# KiCad board 3340_VCO.kicad_pcb
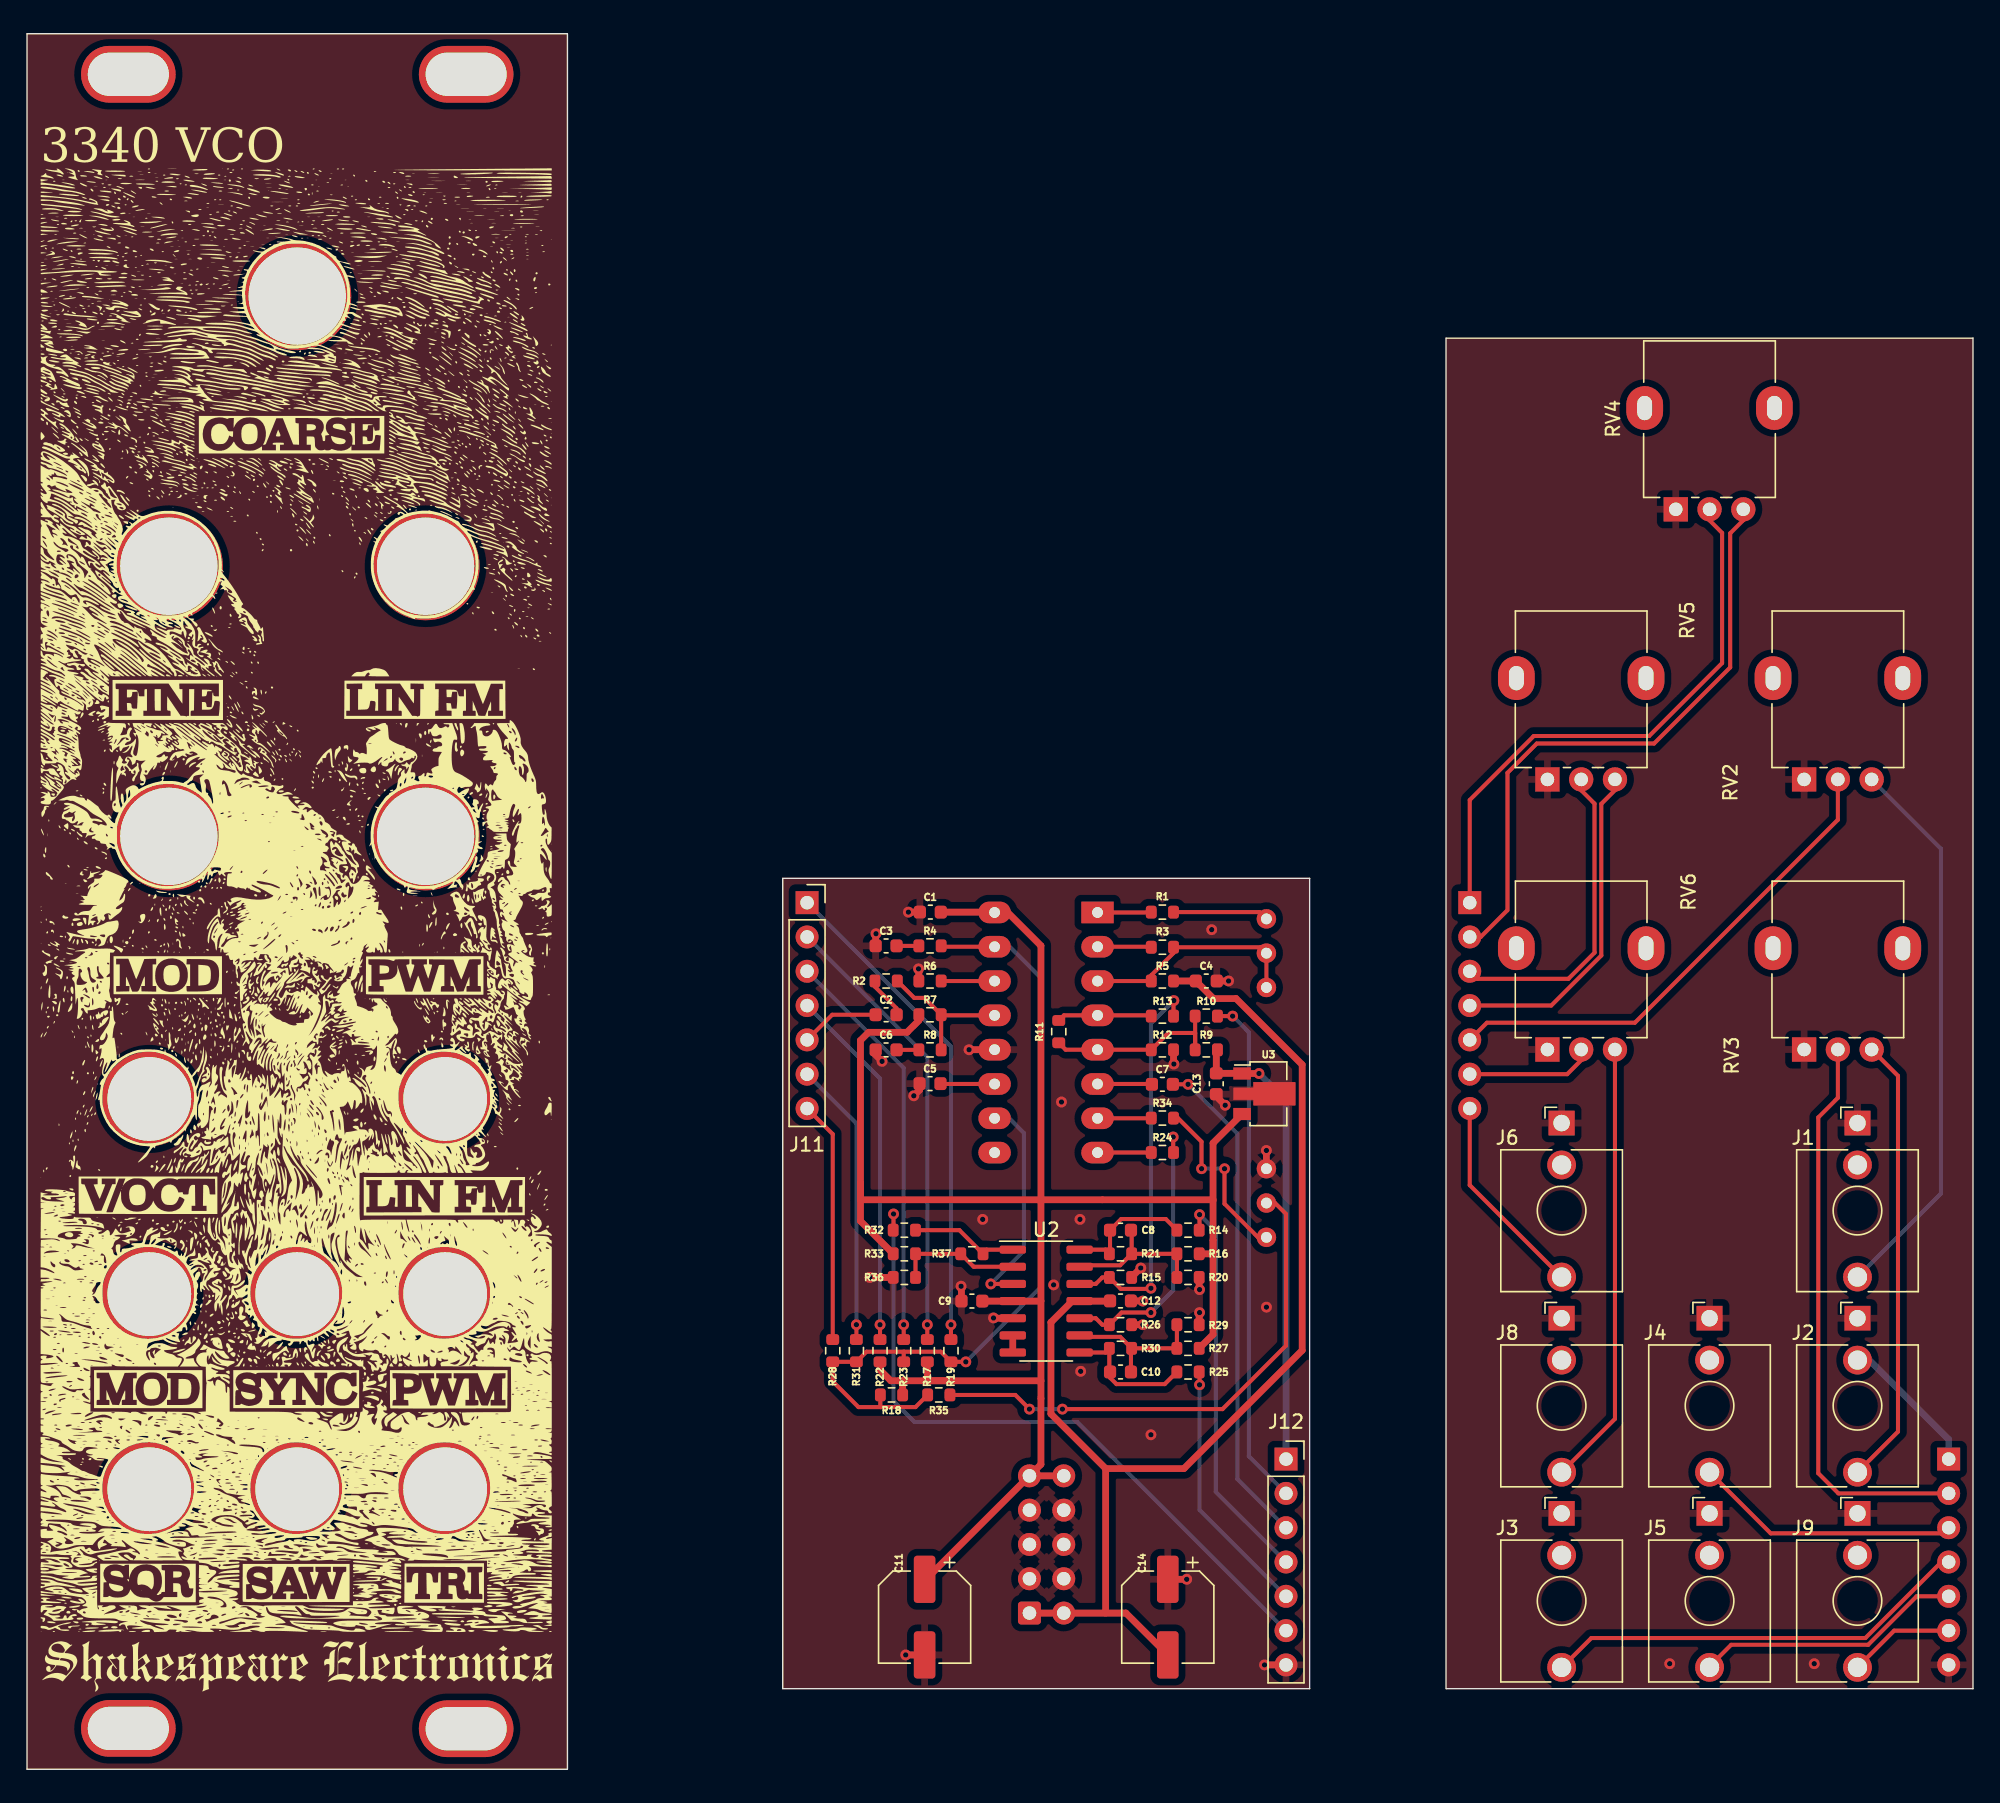
[diagram p0: board, top side]
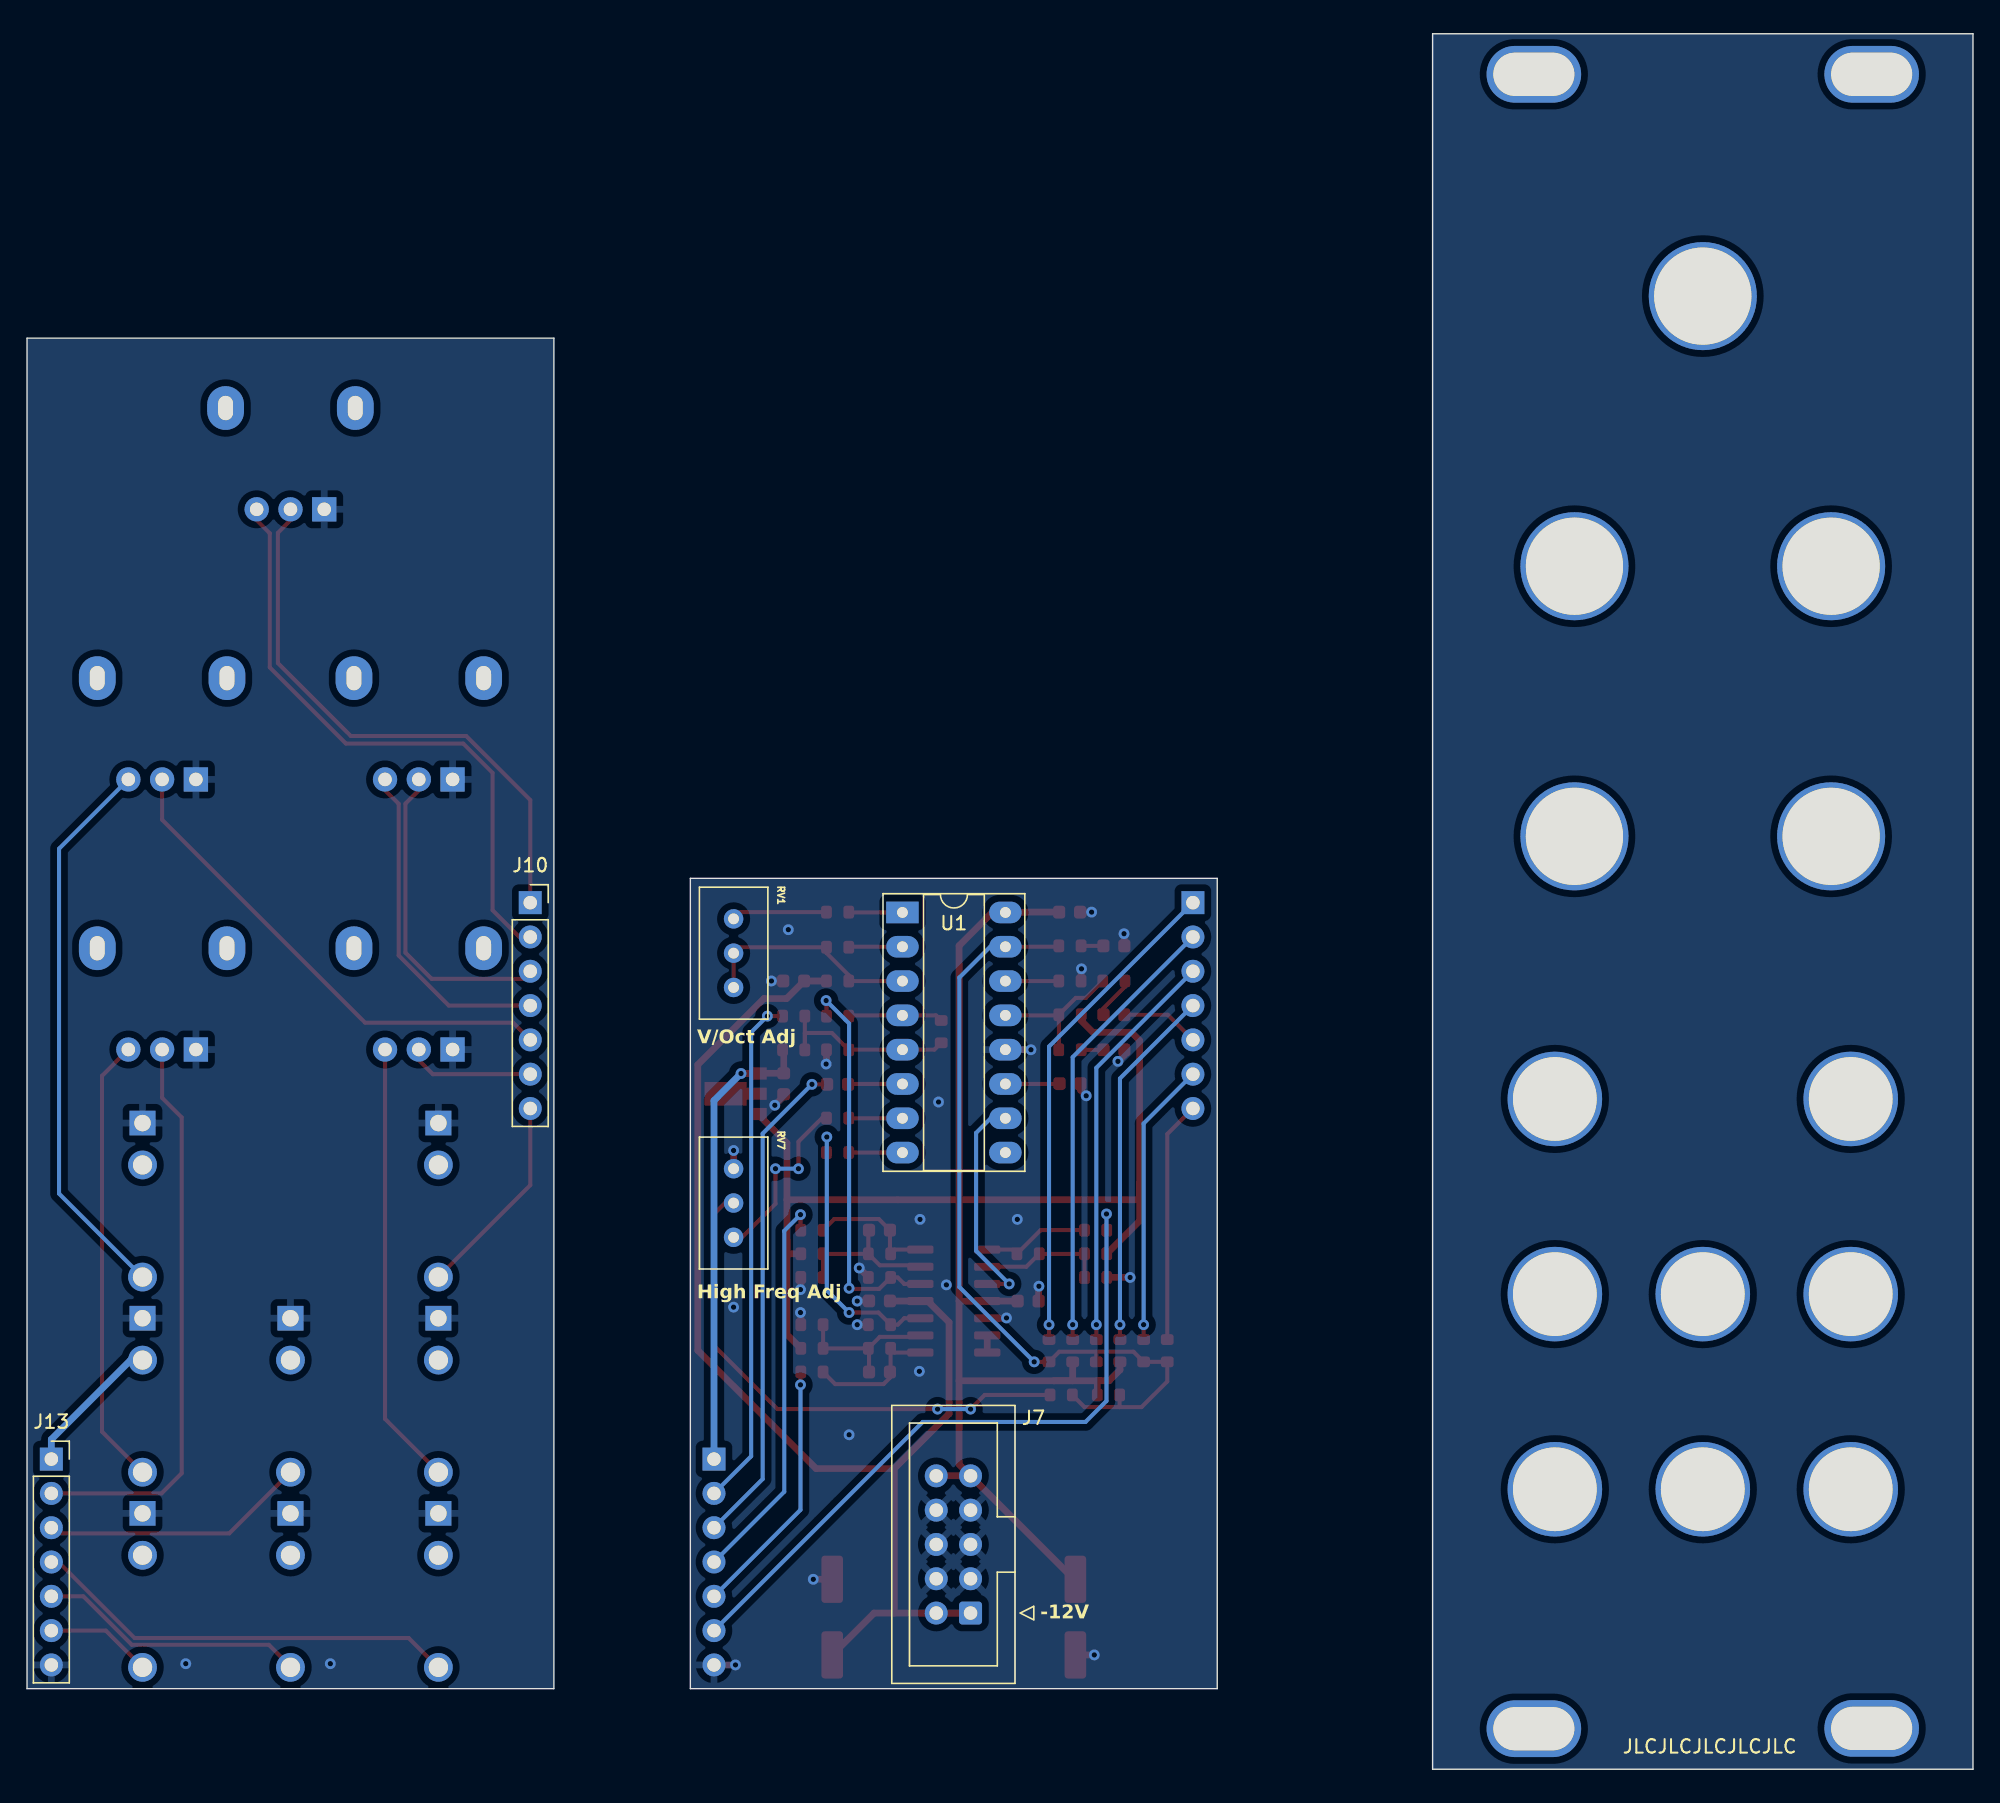
[diagram p1: board, bottom side, seen from below]

Outline 144.04 x 128.5 mm; copper layers: Top, Bottom. Coordinates in mm from the lower left corner of the outline.
Outline path: 0,128.5 0,0 40,0 40,128.5 0,128.5 ; 55.94,65.96 55.94,5.96 94.94,5.96 94.94,65.96 55.94,65.96 ; 105.04,105.96 105.04,5.96 144.04,5.96 144.04,105.96 105.04,105.96
Stack: Top 0.035mm / dielectric 1.51mm FR4 er 4.5 / Bottom 0.035mm

## Placement (name value [footprint] x y rotation side)
C1  100nF  [C_0603_1608Metric]  66.86 63.46 0 top
C2  10nF  [C_0603_1608Metric]  63.59 55.86 0 top
C3  10nF  [C_0603_1608Metric]  63.59 60.96 0 top
C4  100nF  [C_0603_1608Metric]  87.29 58.36 180 top
C5  1nF  [C_0603_1608Metric]  66.84 50.76 0 top
C6  10nF  [C_0603_1608Metric]  63.59 53.26 180 top
C7  10nF  [C_0603_1608Metric]  84.04 50.71 180 top
C8  10pF  [C_0603_1608Metric]  80.94 39.91 0 top
C9  100nF  [C_0603_1608Metric]  69.94 34.66 0 top
C10  10pF  [C_0603_1608Metric]  80.94 29.41 0 top
C11  10uF  [CP_Elec_6.3x5.4]  66.44 11.26 270 top
C12  100nF  [C_0603_1608Metric]  80.94 34.67 180 top
C13  100nF  [C_0603_1608Metric]  88.03 50.75 90 top
C14  10uF  [CP_Elec_6.3x5.4]  84.44 11.26 270 top
G***  -  [LOGO]  19.91 64.34 0 top
G***#2  -  [LOGO]  20.02 7.57 0 top
J1  FM_IN  [Jack_3.5mm_QingPu_WQP-PJ398SM_Vertical_CircularHoles]  135.49 47.84 0 top
J2  PWM_IN  [Jack_3.5mm_QingPu_WQP-PJ398SM_Vertical_CircularHoles]  135.49 33.39 0 top
J3  PULSE_OUT  [Jack_3.5mm_QingPu_WQP-PJ398SM_Vertical_CircularHoles]  113.59 18.94 0 top
J4  SYNC_IN  [Jack_3.5mm_QingPu_WQP-PJ398SM_Vertical_CircularHoles]  124.54 33.39 0 top
J5  SAW_OUT  [Jack_3.5mm_QingPu_WQP-PJ398SM_Vertical_CircularHoles]  124.54 18.94 0 top
J6  V/OCT_IN  [Jack_3.5mm_QingPu_WQP-PJ398SM_Vertical_CircularHoles]  113.59 47.84 0 top
J7  PWR  [IDC-Header_2x05_P2.54mm_Vertical]  74.2 11.56 0 bottom
J8  CV_MOD_IN  [Jack_3.5mm_QingPu_WQP-PJ398SM_Vertical_CircularHoles]  113.59 33.39 0 top
J9  TRI_OUT  [Jack_3.5mm_QingPu_WQP-PJ398SM_Vertical_CircularHoles]  135.49 18.94 0 top
J10  Conn_1B  [PinSocket_1x07_P2.54mm_Vertical]  106.79 64.16 180 bottom
J11  Conn_1A  [PinSocket_1x07_P2.54mm_Vertical]  57.74 64.16 0 top
J12  Conn_2A  [PinSocket_1x07_P2.54mm_Vertical]  93.19 22.96 0 top
J13  Conn_2B  [PinSocket_1x07_P2.54mm_Vertical]  142.24 22.96 180 bottom
R1  24k  [R_0603_1608Metric]  84.04 63.46 0 top
R2  1M  [R_0603_1608Metric]  63.59 58.36 0 top
R3  5K6  [R_0603_1608Metric]  84.04 60.86 0 top
R4  470R  [R_0603_1608Metric]  66.84 60.96 0 top
R5  620R  [R_0603_1608Metric]  84.04 58.36 0 top
R6  1K8  [R_0603_1608Metric]  66.84 58.36 0 top
R7  1M5  [R_0603_1608Metric]  66.84 55.86 180 top
R8  470R  [R_0603_1608Metric]  66.84 53.26 180 top
R9  100K  [R_0603_1608Metric]  87.29 53.26 180 top
R10  100K  [R_0603_1608Metric]  87.29 55.76 180 top
R11  10M  [R_0603_1608Metric]  76.37 54.61 90 top
R12  200K  [R_0603_1608Metric]  84.04 53.26 0 top
R13  180K  [R_0603_1608Metric]  84.04 55.76 180 top
R14  1K  [R_0603_1608Metric]  85.94 39.91 180 top
R15  100K  [R_0603_1608Metric]  80.94 36.41 0 top
R16  240K  [R_0603_1608Metric]  85.94 38.16 0 top
R17  100k  [R_0603_1608Metric]  66.64 30.99 90 top
R18  360k  [R_0603_1608Metric]  63.99 27.71 0 top
R19  100k  [R_0603_1608Metric]  68.39 30.99 270 top
R20  91K  [R_0603_1608Metric]  85.94 36.41 0 top
R21  100K  [R_0603_1608Metric]  80.94 38.16 0 top
R22  100k  [R_0603_1608Metric]  63.14 30.99 90 top
R23  1M8  [R_0603_1608Metric]  64.89 30.99 270 top
R24  100K  [R_0603_1608Metric]  84.04 45.66 180 top
R25  1K  [R_0603_1608Metric]  85.94 29.41 180 top
R26  100K  [R_0603_1608Metric]  80.94 32.91 0 top
R27  240K  [R_0603_1608Metric]  85.94 31.16 0 top
R28  100K  [R_0603_1608Metric]  59.64 30.99 270 top
R29  91K  [R_0603_1608Metric]  85.94 32.91 0 top
R30  100K  [R_0603_1608Metric]  80.94 31.16 0 top
R31  100K  [R_0603_1608Metric]  61.39 30.99 270 top
R32  1K  [R_0603_1608Metric]  64.94 39.91 0 top
R33  240K  [R_0603_1608Metric]  64.94 38.16 180 top
R34  10k  [R_0603_1608Metric]  84.04 48.21 0 top
R35  1M  [R_0603_1608Metric]  67.49 27.71 180 top
R36  91K  [R_0603_1608Metric]  64.94 36.41 180 top
R37  100K  [R_0603_1608Metric]  69.94 38.16 180 top
REF**  -  [PanelHole_AudioJack_3.5mm]  30.95 27.23 0 top
REF**#2  -  [PanelHole_Potentiometer_RV09]  8 61.58 90 top
REF**#3  -  [PanelHole_Potentiometer_RV09]  27 61.58 90 top
REF**#4  -  [PanelHole_AudioJack_3.5mm]  9.05 41.68 0 top
REF**#5  -  [PanelHole_AudioJack_3.5mm]  20 27.23 0 top
REF**#6  -  [PanelHole_AudioJack_3.5mm]  9.05 56.13 0 top
REF**#7  -  [PanelHole_AudioJack_3.5mm]  9.05 27.23 0 top
REF**#8  -  [PanelHole_AudioJack_3.5mm]  30.95 56.13 0 top
REF**#9  -  [Panel_8HP]  0 128.5 0 top
REF**#10  -  [PanelHole_Potentiometer_RV09]  27 81.58 90 top
REF**#11  -  [PanelHole_Potentiometer_RV09]  8 81.58 90 top
REF**#12  -  [PanelHole_Potentiometer_RV09]  17.5 101.58 90 top
REF**#13  -  [PanelHole_AudioJack_3.5mm]  20 41.68 0 top
REF**#14  -  [PanelHole_AudioJack_3.5mm]  30.95 41.68 0 top
RV1  10k  [Potentiometer_Bourns_3296W_Vertical]  91.74 62.96 90 bottom
RV2  100K  [Potentiometer_Alpha_RD901F-40-00D_Single_Vertical]  131.54 73.29 90 top
RV3  100K  [Potentiometer_Alpha_RD901F-40-00D_Single_Vertical]  131.54 53.29 90 top
RV4  100k  [Potentiometer_Alpha_RD901F-40-00D_Single_Vertical]  122.04 93.29 90 top
RV5  100k  [Potentiometer_Alpha_RD901F-40-00D_Single_Vertical]  112.54 73.29 90 top
RV6  100k  [Potentiometer_Alpha_RD901F-40-00D_Single_Vertical]  112.54 53.29 90 top
RV7  10k  [Potentiometer_Bourns_3296W_Vertical]  91.74 44.46 90 bottom
U1  AS3340  [DIP-16_W7.62mm_Socket_LongPads]  79.24 63.44 180 bottom
U2  TL074  [SOIC-14_3.9x8.7mm_P1.27mm]  75.44 34.66 0 top
U3  L78L05  [SOT-89-3]  91.89 50.01 0 top

## Library data of the parts
C1 C4 C9 C12 C13 = -: Description: Unpolarized capacitor; LCSC: C1591
C2 C3 C6 C7 = -: Description: Unpolarized capacitor; LCSC: C100042
C5 = -: Description: Unpolarized capacitor; LCSC: C178413
C8 C10 = -: Description: Unpolarized capacitor; LCSC: C91367
C11 C14 = -: LCSC: C5221839
J7 = -: Description: Generic connector, double row, 02x05, odd/even pin numbering scheme (row 1 odd numbers, row 2 even numbers), script generated (kicad-library-utils/schlib/autogen/connector/)
J10-J13 = -: Description: Generic connector, single row, 01x07, script generated
R1 = -: Description: Resistor; LCSC: C23352
R2 R35 = -: Description: Resistor; LCSC: C22935
R3 = -: Description: Resistor; LCSC: C23189
R4 R8 = -: Description: Resistor; LCSC: C23179
R5 = -: Description: Resistor; LCSC: C23220
R6 = -: Description: Resistor; LCSC: C4177
R7 = -: Description: Resistor; LCSC: C4172
R9 R10 R15 R17 R21 R22 R24 R26 R28 R30 R31 R37 = -: Description: Resistor; LCSC: C25803
R11 = -: Description: Resistor; LCSC: C7250
R12 = -: Description: Resistor; LCSC: C25811
R13 = -: Description: Resistor; LCSC: C22827
R14 R25 R32 = -: Description: Resistor; LCSC: C21190
R16 R27 R33 = -: Description: Resistor; LCSC: C4197
R18 = -: Description: Resistor; LCSC: C23146
R19 = -: Description: Resistor
R20 R29 R36 = -: Description: Resistor; LCSC: C23265
R23 = -: Description: Resistor; LCSC: C13318
R34 = -: Description: Resistor; LCSC: C25804
RV4-RV6 = -: Description: Potentiometer
U2 = -: Description: Quad Low-Noise JFET-Input Operational Amplifiers, DIP-14/SOIC-14; LCSC: C12594
U3 = -: Description: Positive 100mA 30V Linear Regulator, Fixed Output 5V, SOT-89; LCSC: C3025155

## Footprints (pads in the part's own frame, mm; a bottom-side part is the same pattern mirrored in y, then rotated)
C_0603_1608Metric
  rrect 0.9x0.95 smd: 1(-0.775,0) 2(0.775,0)
CP_Elec_6.3x5.4
  rrect 3.5x1.6 smd: 1(-2.8,0) 2(2.8,0)
DIP-16_W7.62mm_Socket_LongPads
  rect 2.4x1.6 hole 0.8: 1(0,0)
  oval 2.4x1.6 hole 0.8: 2(0,-2.54) 3(0,-5.08) 4(0,-7.62) 5(0,-10.16) 6(0,-12.7) 7(0,-15.24) 8(0,-17.78) 9(7.62,-17.78) 10(7.62,-15.24) 11(7.62,-12.7) 12(7.62,-10.16) 13(7.62,-7.62) 14(7.62,-5.08) 15(7.62,-2.54) 16(7.62,0)
IDC-Header_2x05_P2.54mm_Vertical
  rrect 1.7x1.7 hole 1: 1(0,0)
  round 1.7 hole 1: 2(2.54,0) 3(0,-2.54) 4(2.54,-2.54) 5(0,-5.08) 6(2.54,-5.08) 7(0,-7.62) 8(2.54,-7.62) 9(0,-10.16) 10(2.54,-10.16)
Jack_3.5mm_QingPu_WQP-PJ398SM_Vertical_CircularHoles
  rect 1.93x1.83 hole 1.22: S(0,0)
  round 2.13 hole 1.43: T(0,-11.4)
  round 2.13 hole 1.42: TN(0,-3.1)
Panel_8HP
  oval 7x4.2 hole 6x3.2: (7.5,-3) (7.5,-125.476) (32.505,-3) (32.505,-125.5)
PanelHole_AudioJack_3.5mm
  round 7 hole 6.2 unplated: (0,-6.5)
PanelHole_Potentiometer_RV09
  round 8 hole 7.2 unplated: (7.5,-2.5)
PinSocket_1x07_P2.54mm_Vertical
  rect 1.7x1.7 hole 1: 1(0,0)
  oval 1.7x1.7 hole 1: 2(0,-2.54) 3(0,-5.08) 4(0,-7.62) 5(0,-10.16) 6(0,-12.7) 7(0,-15.24)
Potentiometer_Alpha_RD901F-40-00D_Single_Vertical
  oval 3.24x2.72 hole 1.8x1.1: (7.5,2.3) (7.5,-7.3)
  rect 1.8x1.8 hole 1: 1(0,0)
  round 1.8 hole 1: 2(0,-2.5) 3(0,-5)
Potentiometer_Bourns_3296W_Vertical
  round 1.44 hole 0.8: 1(0,0) 2(-2.54,0) 3(-5.08,0)
R_0603_1608Metric
  rrect 0.8x0.95 smd: 1(-0.825,0) 2(0.825,0)
SOIC-14_3.9x8.7mm_P1.27mm
  rrect 1.95x0.6 smd: 1(-2.475,3.81) 2(-2.475,2.54) 3(-2.475,1.27) 4(-2.475,0) 5(-2.475,-1.27) 6(-2.475,-2.54) 7(-2.475,-3.81) 8(2.475,-3.81) 9(2.475,-2.54) 10(2.475,-1.27) 11(2.475,0) 12(2.475,1.27) 13(2.475,2.54) 14(2.475,3.81)
SOT-89-3
  rect 1.3x0.9 smd: 1(-1.95,1.5) 3(-1.95,-1.5)
  custom 4.6x1.733 smd: 2(-1.863,0)

## Nets
+5V: C13.2 J2.TN J12.1 J13.1 R9.1 U3.1
+12V: C1.2 C9.2 C11.1 J7.9 J7.10 R7.2 R16.2 R17.1 R18.2 R22.1 R27.2 R33.2 U1.16 U2.4 U3.3
-12V: C4.2 C12.2 C14.2 J7.1 J7.2 R5.2 U2.11
GND: C1.1 C3.1 C4.1 C5.1 C6.2 C9.1 C11.2 C12.1 C13.1 C14.1 J1.S J2.S J3.S J4.S J5.S J6.S J7.3 J7.4 J7.5 J7.6 J7.7 J7.8 J8.S J9.S J12.7 J13.7 R6.1 R12.2 R15.2 R20.2 R26.2 R29.2 R36.2 RV2.1 RV3.1 RV4.1 RV5.1 RV6.1 RV7.1 U1.12 U2.5 U3.2
/coarse2_a: J11.1 R19.1
/coarse2_b: J10.1 RV4.2
/coarse3_a: J11.2 R17.2
/coarse3_b: J10.2 RV4.3
/CV_IN: R4.2 R18.1 R19.2 R23.2 R28.2 R31.2 R35.2 U1.15
/cvmod_a: J11.6 R31.1
/cvmod_b: J10.6 RV6.2
/fine2_a: J11.3 R23.1
/fine2_b: J10.3 RV5.2
/fine3_a: J11.4 R22.2
/fine3_b: J10.4 RV5.3
/HSYNC: C7.2 U1.6
/LIN_FM: R2.2 R7.1 R8.1 U1.13
/linfm_a: C2.1 J11.5
/linfm_b: J10.5 RV2.2
/PULSE: R11.2 R13.2 U1.4
/pulse_a: J12.4 R14.1
/pulse_b: J3.T J13.4
/PWM: R9.2 R10.2 R11.1 R12.1 U1.5
/pwm_a: J12.2 R10.1
/pwm_b: J13.2 RV3.2
/SAW: R24.2 U1.8
/saw_a: J12.5 R25.1
/saw_b: J5.T J13.5
/sync_a: C7.1 J12.3
/sync_b: J4.T J13.3
/TRI: U1.10 U2.3
/tri_a: J12.6 R32.1
/tri_b: J9.T J13.6
/VHFT: R34.1 U1.7
/voct_a: J11.7 R28.1
/voct_b: J6.T J10.7
Net-(C2-Pad2): C2.2 R2.1
Net-(C3-Pad2): C3.2 R4.1
Net-(C6-Pad1): C6.1 R8.2
Net-(C8-Pad1): C8.1 R14.2 R21.1 U2.14
Net-(C10-Pad1): C10.1 R25.2 R30.1 U2.8
Net-(J1-PadT): J1.T RV2.3
Net-(J2-PadT): J2.T RV3.3
Net-(J8-PadT): J8.T RV6.3
Net-(R1-Pad2): R1.2 RV1.1
Net-(R32-Pad2): R32.2 R37.1 U2.1
Net-(R34-Pad2): R34.2 RV7.3
Net-(R35-Pad1): R35.1 RV7.2
Net-(U1-CAP): C5.2 U1.11
Net-(U1-SCALE1): R1.1 U1.1
Net-(U1-SCALE2): R3.1 U1.2
Net-(U1-VEE): R3.2 R5.1 RV1.2 RV1.3 U1.3
Net-(U1-VS): R6.2 U1.14
Net-(U2A--): R33.1 R36.1 R37.2 U2.2
Net-(U2B--): U2.6 U2.7
Net-(U2C-+): R24.1 R26.1 U2.10
Net-(U2C--): C10.2 R27.1 R29.1 R30.2 U2.9
Net-(U2D-+): R13.1 R15.1 U2.12
Net-(U2D--): C8.2 R16.1 R20.1 R21.2 U2.13

Pads without a net: J1 TN; J3 TN; J4 TN; J5 TN; J6 TN; J8 TN; J9 TN; U1 9

## Via types
v1: diameter 0.8, hole 0.4, Top to Bottom, 52 vias

## Routing (per net, layer and track width the routed paths; a pad name or vN(x,y) marks a point on that pad's centre or on a via; arc(x,y) is an arc through that point)
+5V: length 45
  Top w0.5: v1(91.19,51.51) U3.1 89.92,51.53 C13.2 88.03,53.18 R9.1
  Bottom w0.5: J2.TN 136.37,30.29 142.24,24.42 J13.1 ; J12.1 93.19,49.51 v1(91.19,51.51)
+12V: length 153
  Top w0.5: 75.05,42.16 75.05,60.97 72.58,63.44 U1.16 71.59,63.46 C1.2 ; 75.05,42.16 87.79,42.16 ; 75.05,42.16 61.69,42.16 61.69,43.41 ; 75.05,42.16 75.05,34.66 ; 87.79,39.19 87.79,32.19 R27.2 ; 87.79,39.19 87.79,42.16 ; 87.79,39.19 87.79,38.16 R16.2 ; C9.2 U2.4 75.05,34.66 ; 61.69,43.41 61.69,40.59 R33.2 ; 61.69,43.41 61.69,53.96 62.29,54.56 65.14,54.56 66.02,55.44 R7.2 ; 75.05,34.66 75.05,28.76 ; 68.04,28.76 64.54,28.76 ; 68.04,28.76 75.05,28.76 ; 68.04,28.76 66.64,28.76 R17.1 ; 64.54,28.76 63.94,28.76 63.14,29.56 R22.1 ; 64.54,28.76 64.81,28.76 R18.2 ; 87.79,42.16 87.79,46.36 U3.3 ; 75.05,28.76 75.05,22.57 J7.9 ; J7.10 J7.9 ; J7.9 66.54,14.06 C11.1
-12V: length 91.2
  Top w0.5: 79.84,22.26 85.64,22.26 94.39,31.01 94.39,52.16 89.49,57.06 87.82,57.06 C4.2 R5.2 ; 79.84,22.26 75.79,26.31 75.79,33.09 77.36,34.66 U2.11 80.15,34.66 ; 79.84,22.26 79.84,11.56 ; C14.2 81.34,11.56 79.84,11.56 ; 79.84,11.56 J7.2 J7.1
GND: length 25.6
  Top w0.5: R36.2 v1(62.39,36.41) ; v1(63.29,52.41) 62.81,52.89 C6.2 ; C5.1 66.06,50.29 v1(65.64,49.86) ; v1(62.84,61.86) 62.81,61.84 C3.1 ; v1(69.73,53.27) 69.73,53.28 U1.12 ; C11.2 v1(65.04,8.46) ; R15.2 81.77,36.44 v1(82.44,37.11) ; v1(88.69,49.16) 88.03,49.82 C13.1 ; v1(86.79,35.51) 86.77,35.54 R20.2 ; v1(69.14,35.76) 69.17,35.74 69.17,34.66 ; C14.1 v1(85.84,14.06) ; J12.7 v1(91.6,7.72) ; U2.5 71.56,33.39 v1(71.54,33.41) ; C4.1 v1(88.94,58.36) ; v1(86.79,33.81) 86.77,33.79 R29.2 ; R26.2 v1(82.59,32.91) ; v1(84.89,52.21) 84.86,52.24 R12.2 ; 81.71,34.67 82.58,34.67 v1(82.59,34.66) ; RV7.1 v1(91.74,45.81) ; 72.16,53.28 72.19,53.31 ; R6.1 66.02,59.24 v1(65.99,59.26) ; C1.1 v1(65.24,63.46) ; U3.2 91.39,50.01
  vias: v1(70.74,40.71) v1(75.99,35.86) v1(76.57,49.4) v1(77.94,40.71) v1(77.99,29.46) v1(83.19,24.76) v1(87.69,62.16) v1(91.74,34.21) v1(121.59,7.81) v1(132.29,7.81)
/coarse2_a: length 36.8
  Top w0.3: R19.1 v1(68.39,32.91)
  Bottom w0.3: v1(68.39,32.91) 68.39,53.51 J11.1
/coarse2_b: length 42.3
  Top w0.3: RV4.2 124.54,92.47 125.47,91.54 125.47,81.9 120.07,76.5 111.53,76.5 106.79,71.76 J10.1
/coarse3_a: length 33.5
  Top w0.3: R17.2 v1(66.64,32.91)
  Bottom w0.3: v1(66.64,32.91) 66.64,52.72 J11.2
/coarse3_b: length 45.6
  Top w0.3: J10.2 107.6,61.62 109.58,63.6 109.58,73.77 111.75,75.94 120.43,75.94 126.07,81.58 126.07,91.51 127.04,92.48 RV4.3
/CV_IN: length 60.8
  Top w0.3: 66.67,27.71 65.77,26.81 63.19,26.81 ; 63.19,26.81 61.54,26.81 59.64,28.71 R28.2 R31.2 62.14,30.91 64.89,30.91 ; 63.19,26.81 63.17,26.84 63.17,27.71 ; v1(69.49,30.16) R19.2 67.64,30.91 64.89,30.91 ; 64.89,30.91 R23.2 ; U1.15 67.73,60.9 R4.2
  Bottom w0.3: U1.15 72.75,60.9 75.03,58.61 75.03,35.7 v1(69.49,30.16)
/cvmod_a: length 21.2
  Top w0.3: R31.1 v1(61.39,32.91)
  Bottom w0.3: v1(61.39,32.91) 61.39,47.81 J11.6
/cvmod_b: length 9.5
  Top w0.3: RV6.2 115.04,52.5 114,51.46 J10.6
/fine2_a: length 30.2
  Top w0.3: R23.1 v1(64.89,32.91)
  Bottom w0.3: J11.3 64.89,51.93 v1(64.89,32.91)
/fine2_b: length 23.5
  Top w0.3: RV5.2 115.04,72.48 116.03,71.49 116.03,60.46 114.09,58.52 107.35,58.52 J10.3
/fine3_a: length 27
  Top w0.3: R22.2 v1(63.14,32.91)
  Bottom w0.3: J11.4 63.14,51.14 v1(63.14,32.91)
/fine3_b: length 24.7
  Top w0.3: J10.4 112.82,56.54 116.53,60.25 116.53,71.48 117.54,72.49 RV5.3
/HSYNC: length 4
  Top w0.3: U1.6 83.24,50.74 C7.2
/LIN_FM: length 10.9
  Top w0.3: R7.1 R8.1 ; R7.1 67.71,55.82 U1.13 ; R7.1 66.42,57.11 65.67,57.11 R2.2
/linfm_a: length 5.8
  Top w0.3: C2.1 59.6,55.86 J11.5
/linfm_b: length 37
  Top w0.3: RV2.2 134.04,70.3 119.01,55.27 108.06,55.27 J10.5
/PULSE: length 7
  Top w0.3: R11.2 76.75,55.82 U1.4 83.16,55.82 83.21,55.76
/pulse_a: length 29.5
  Top w0.3: v1(86.79,41.06) 86.79,39.94 R14.1
  Bottom w0.3: v1(86.79,41.06) 87.99,39.86 87.99,20.54 J12.4
/pulse_b: length 31.8
  Top w0.3: 113.69,7.61 115.79,9.71 136.08,9.71 141.71,15.34 J13.4
/PWM: length 14.6
  Top w0.3: R11.1 76.88,53.28 U1.5 83.2,53.28 83.21,53.26 84.46,54.51 86.46,54.51 R9.2 R10.2
/pwm_a: length 38.1
  Top w0.3: v1(89.24,55.76) R10.1
  Bottom w0.3: J12.2 90.44,23.17 90.44,54.56 v1(89.24,55.76)
/pwm_b: length 42.2
  Top w0.3: J13.2 134.08,20.42 132.59,21.91 132.59,48.26 134.04,49.71 RV3.2
/SAW: length 4
  Top w0.3: 83.21,45.66 83.21,45.66 U1.8
/saw_a: length 19.3
  Top w0.3: v1(86.79,28.46) 86.79,29.39 R25.1
  Bottom w0.3: v1(86.79,28.46) 86.79,19.2 J12.5
/saw_b: length 19.8
  Top w0.3: 124.54,7.61 126.14,9.21 136.28,9.21 139.87,12.8 J13.5
/sync_a: length 37
  Top w0.3: v1(85.94,50.71) C7.1
  Bottom w0.3: v1(85.94,50.71) 89.59,47.06 89.59,21.48 J12.3
/sync_b: length 19.8
  Top w0.3: J13.3 141.82,17.46 129.07,17.46 J4.T
/TRI: length 16.4
  Top w0.3: v1(71.34,35.93) U2.3
  Bottom w0.3: v1(71.34,35.93) 73.79,38.38 73.79,47.11 72.7,48.2 71.62,48.2
/tri_a: length 51.2
  Top w0.3: v1(64.14,41.11) 64.14,39.94 R32.1
  Bottom w0.3: J12.6 77.74,25.71 65.69,25.71 64.14,27.26 v1(64.14,41.11)
/tri_b: length 7.9
  Top w0.3: J9.T 138.21,10.26 J13.6
/VHFT: length 4
  Top w0.3: 83.21,48.21 83.2,48.2 79.24,48.2
/voct_a: length 17.9
  Top w0.3: R28.1 59.64,47.02 J11.7
/voct_b: length 15.3
  Top w0.3: J6.T 106.79,43.24 J10.7
Net-(C2-Pad2): length 3.2
  Top w0.3: R2.1 62.77,57.94 64.36,56.34 C2.2
Net-(C3-Pad2): length 1.7
  Top w0.3: R4.1 C3.2
Net-(C6-Pad1): length 1.7
  Top w0.3: C6.1 R8.2
Net-(C8-Pad1): length 9.7
  Top w0.3: 85.11,39.91 84.29,40.74 80.99,40.74 C8.1 80.17,38.21 80.11,38.16 79.8,38.47 U2.14
Net-(C10-Pad1): length 10
  Top w0.3: U2.8 79.8,30.85 80.11,31.16 80.11,29.46 C10.1 80.17,28.99 80.64,28.51 84.21,28.51 85.11,29.41
Net-(J1-PadT): length 41.5
  Bottom w0.3: J1.T 141.67,42.62 141.67,68.16 RV2.3
Net-(J2-PadT): length 33.3
  Top w0.3: RV3.3 138.49,51.34 138.49,24.99 J2.T
Net-(J8-PadT): length 32.9
  Top w0.3: J8.T 117.54,25.94 RV6.3
Net-(R1-Pad2): length 7.1
  Top w0.3: RV1.1 91.24,63.46 R1.2
Net-(R32-Pad2): length 8.1
  Top w0.3: R32.2 69.02,39.91 R37.1 71.08,38.47 U2.1
Net-(R34-Pad2): length 13.2
  Top w0.3: v1(88.64,44.46) 88.64,41.86 91.12,39.38 RV7.3 ; R34.2 85.19,48.21 86.94,46.46 v1(86.94,44.46)
  Bottom w0.3: v1(86.94,44.46) v1(88.64,44.46)
Net-(R35-Pad1): length 38.8
  Top w0.3: v1(76.64,26.66) 88.49,26.66 93.19,31.36 93.19,41.11 92.38,41.92 RV7.2 ; v1(74.2,26.66) 73.15,27.71 R35.1
  Bottom w0.3: v1(74.2,26.66) 74.2,26.66 v1(76.64,26.66)
Net-(U1-CAP): length 4
  Top w0.3: 67.61,50.76 67.64,50.74 U1.11
Net-(U1-SCALE1): length 4
  Top w0.3: U1.1 83.19,63.44 83.21,63.46
Net-(U1-SCALE2): length 4
  Top w0.3: U1.2 83.18,60.9 83.21,60.86
Net-(U1-VEE): length 16.8
  Top w0.3: U1.3 83.21,58.36 83.21,58.36 83.21,58.79 84.86,60.44 R3.2 91.3,60.86 RV1.2 RV1.3
Net-(U1-VS): length 4
  Top w0.3: R6.2 67.67,58.36 U1.14
Net-(U2A--): length 9.3
  Top w0.3: R36.1 R33.1 R37.2 70.08,37.2 U2.2
Net-(U2B--): length 1.3
  Top w0.5: U2.6 U2.7
Net-(U2C-+): length 20.7
  Top w0.3: v1(83.19,33.81) 81.02,33.81 80.11,32.91 79.59,32.91 79.11,33.39 U2.10 ; v1(84.84,46.81) 84.84,45.69 R24.1
  Bottom w0.3: v1(84.84,46.81) 84.84,35.46 v1(83.19,33.81)
Net-(U2C--): length 11.1
  Top w0.3: 81.71,29.41 81.71,31.11 R30.2 ; R30.2 85.11,31.16 85.11,32.91 ; R30.2 80.92,32.01 78.02,32.01 U2.9
Net-(U2D-+): length 29
  Top w0.3: R13.1 84.86,56.89 v1(84.89,56.91) ; v1(83.19,35.61) 83.14,35.56 80.96,35.56 80.11,36.41 79.59,36.41 79.11,35.93 U2.12
  Bottom w0.3: v1(83.19,35.61) 83.19,55.21 v1(84.89,56.91)
Net-(U2D--): length 11.1
  Top w0.3: 85.11,36.41 85.11,38.16 R21.2 ; 81.71,39.91 81.77,39.86 R21.2 ; R21.2 80.92,37.31 78.02,37.31 U2.13

## Copper pours and planes (outline as drawn; the poured copper is in the pictures)
GND on Top: 55.84,66.06 95.04,66.06 95.04,5.86 55.84,5.86
GND on Top: 104.99,106.01 144.09,106.01 144.09,5.91 104.99,5.91
GND on Bottom: 55.84,66.06 95.04,66.06 95.04,5.86 55.84,5.86
GND on Bottom: 104.99,106.01 144.09,106.01 144.09,5.91 104.99,5.91
(no net) on Top, Bottom: -0.07,128.57 40.07,128.56 40.07,-0.07 -0.07,-0.07

## Text on the board
B.Silkscreen: JLCJLCJLCJLCJLC | -12V | High Freq Adj | V/Oct Adj
F.Silkscreen: 3340 VCO
